# Altium PCB power.PcbDoc (part 1 of 3)
Units mm, origin at the board's own origin, x right, y up, seen from the top; angles counter-clockwise.
Board outline 41 x 59 mm, 4 copper layers (Top Layer, Grpund, Power, Bottom Layer); 116 components, 80 nets, 408 pads, 200 vias.
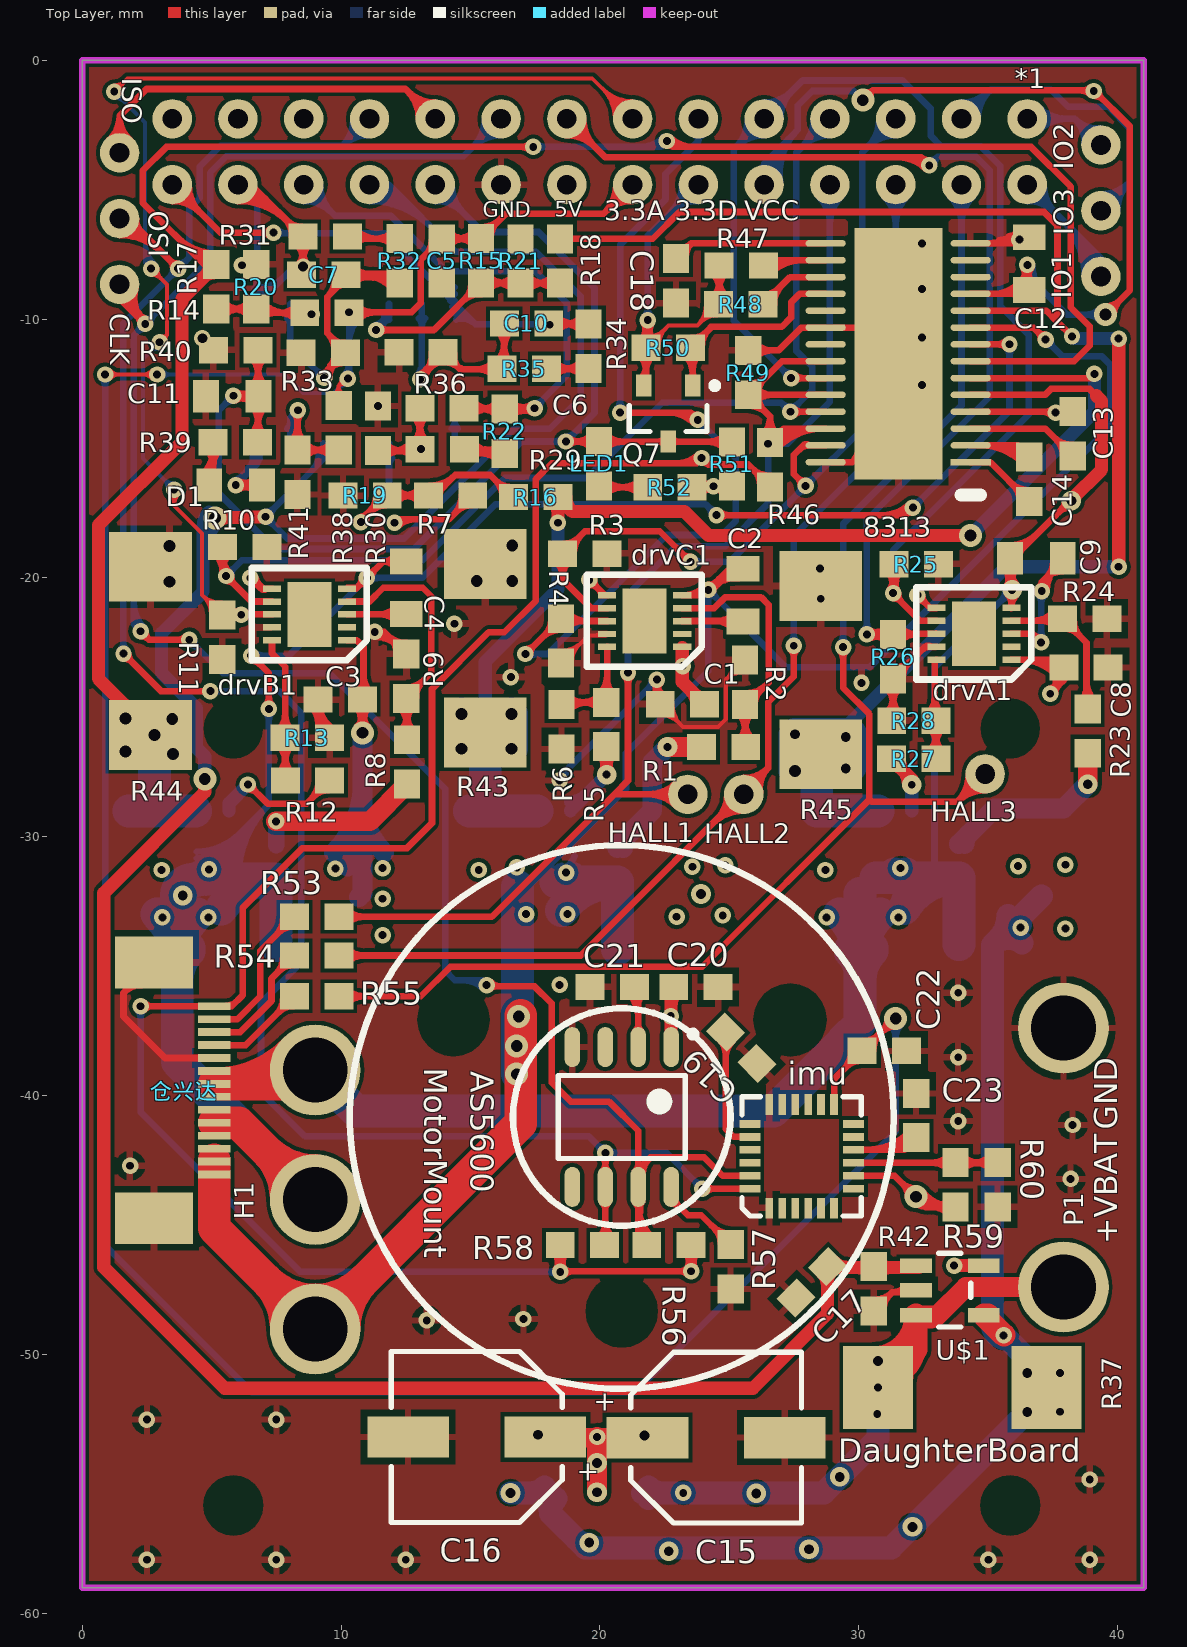
[diagram p0: Top Layer view]
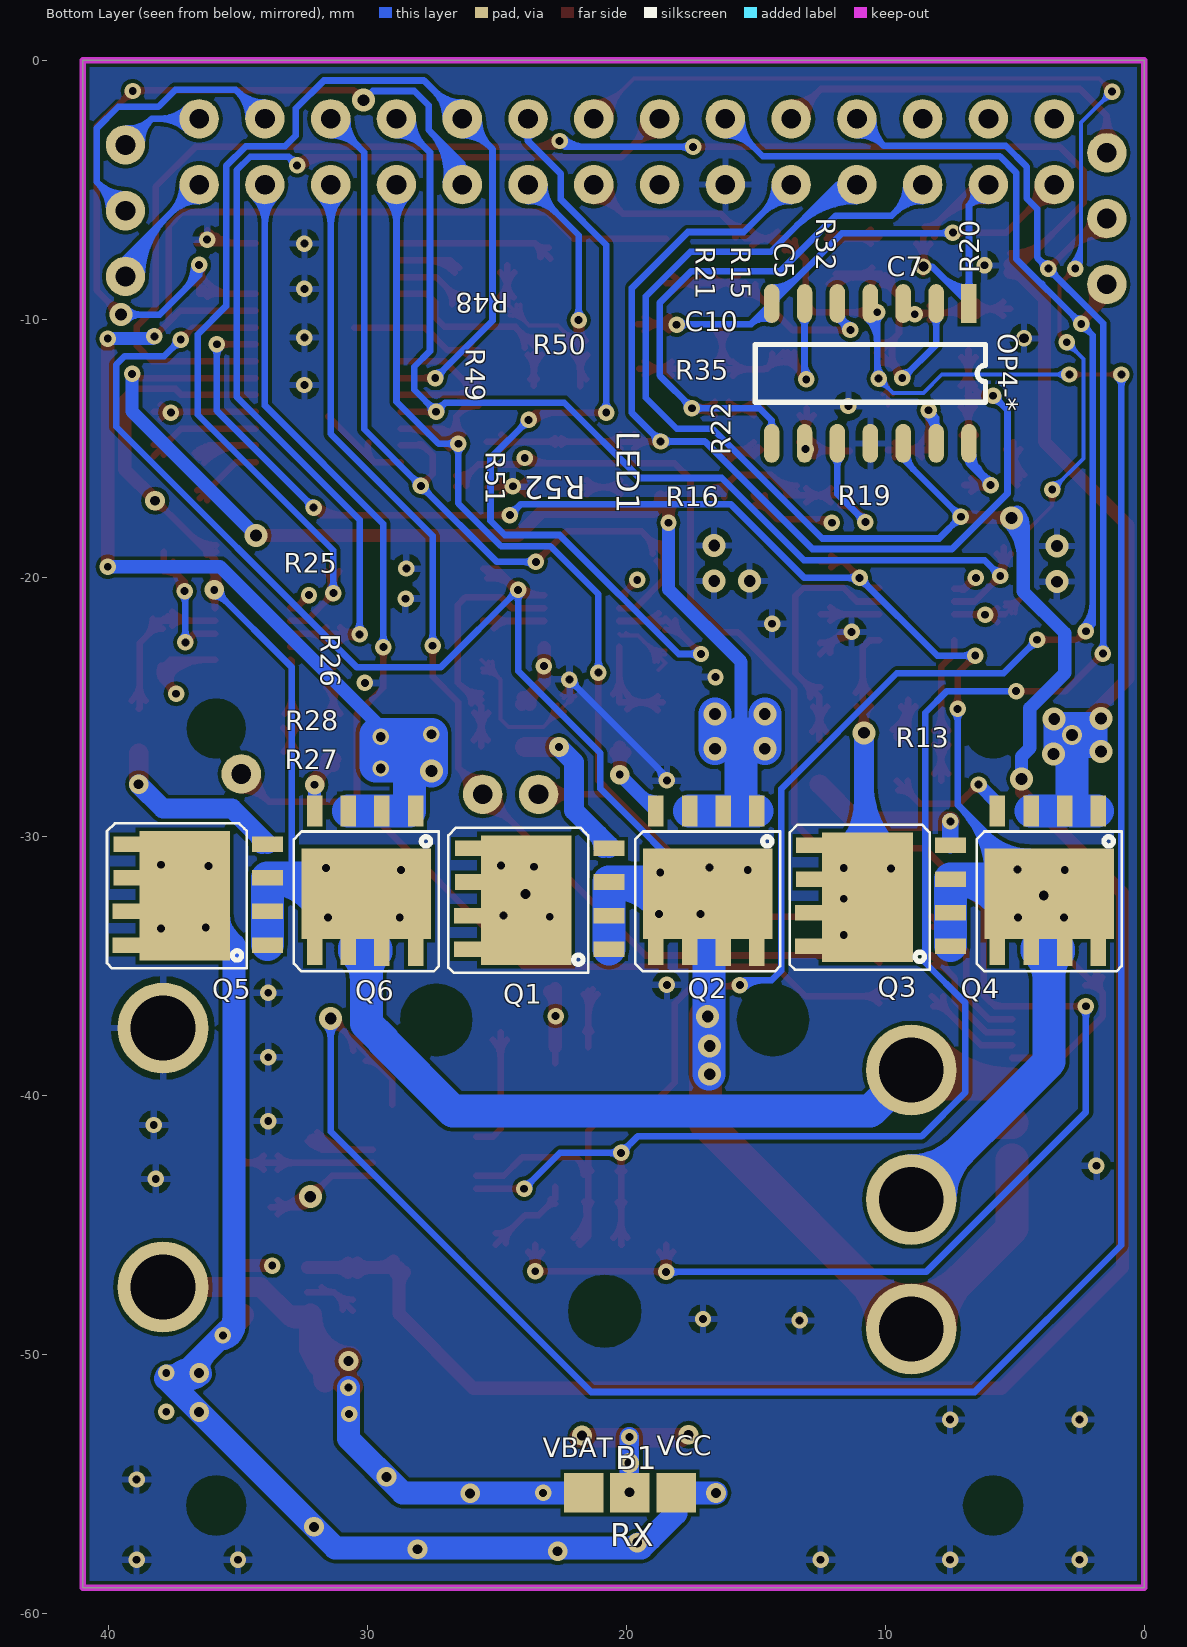
[diagram p1: Bottom Layer view, seen from below]
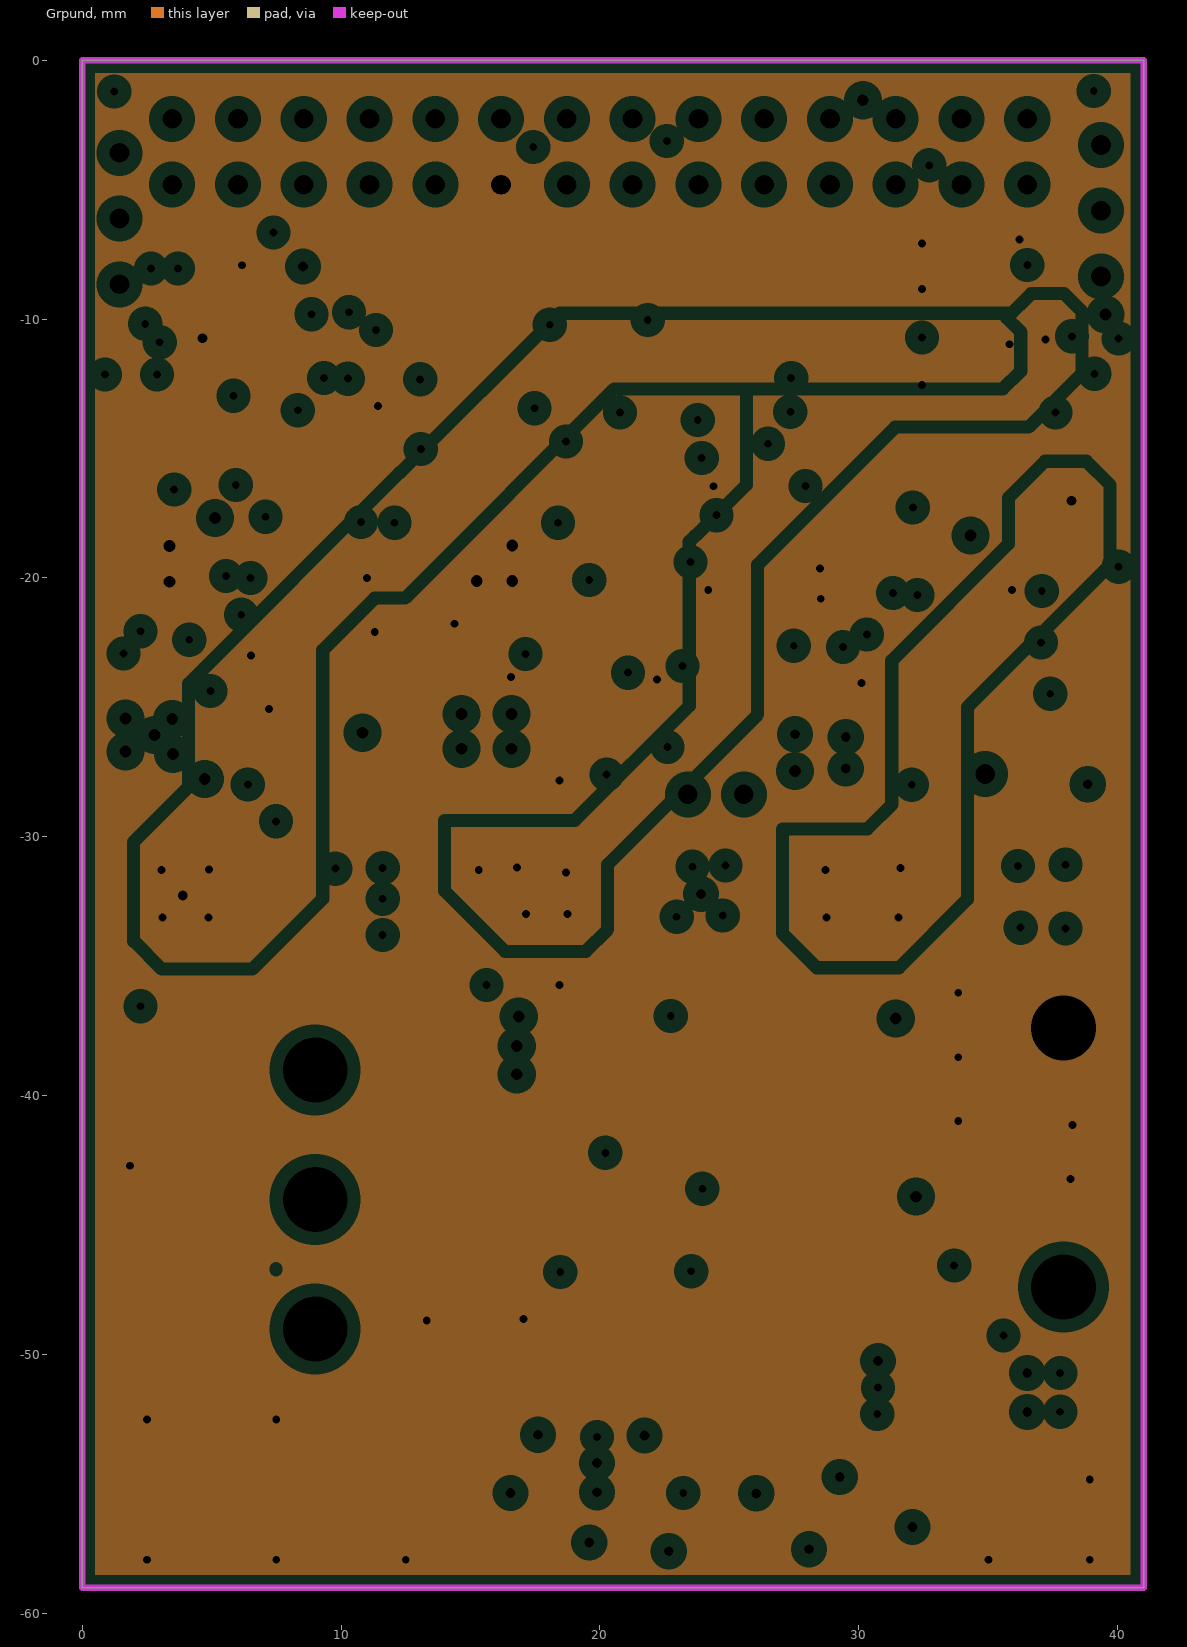
[diagram p2: Grpund, clearances drawn from the general rule]
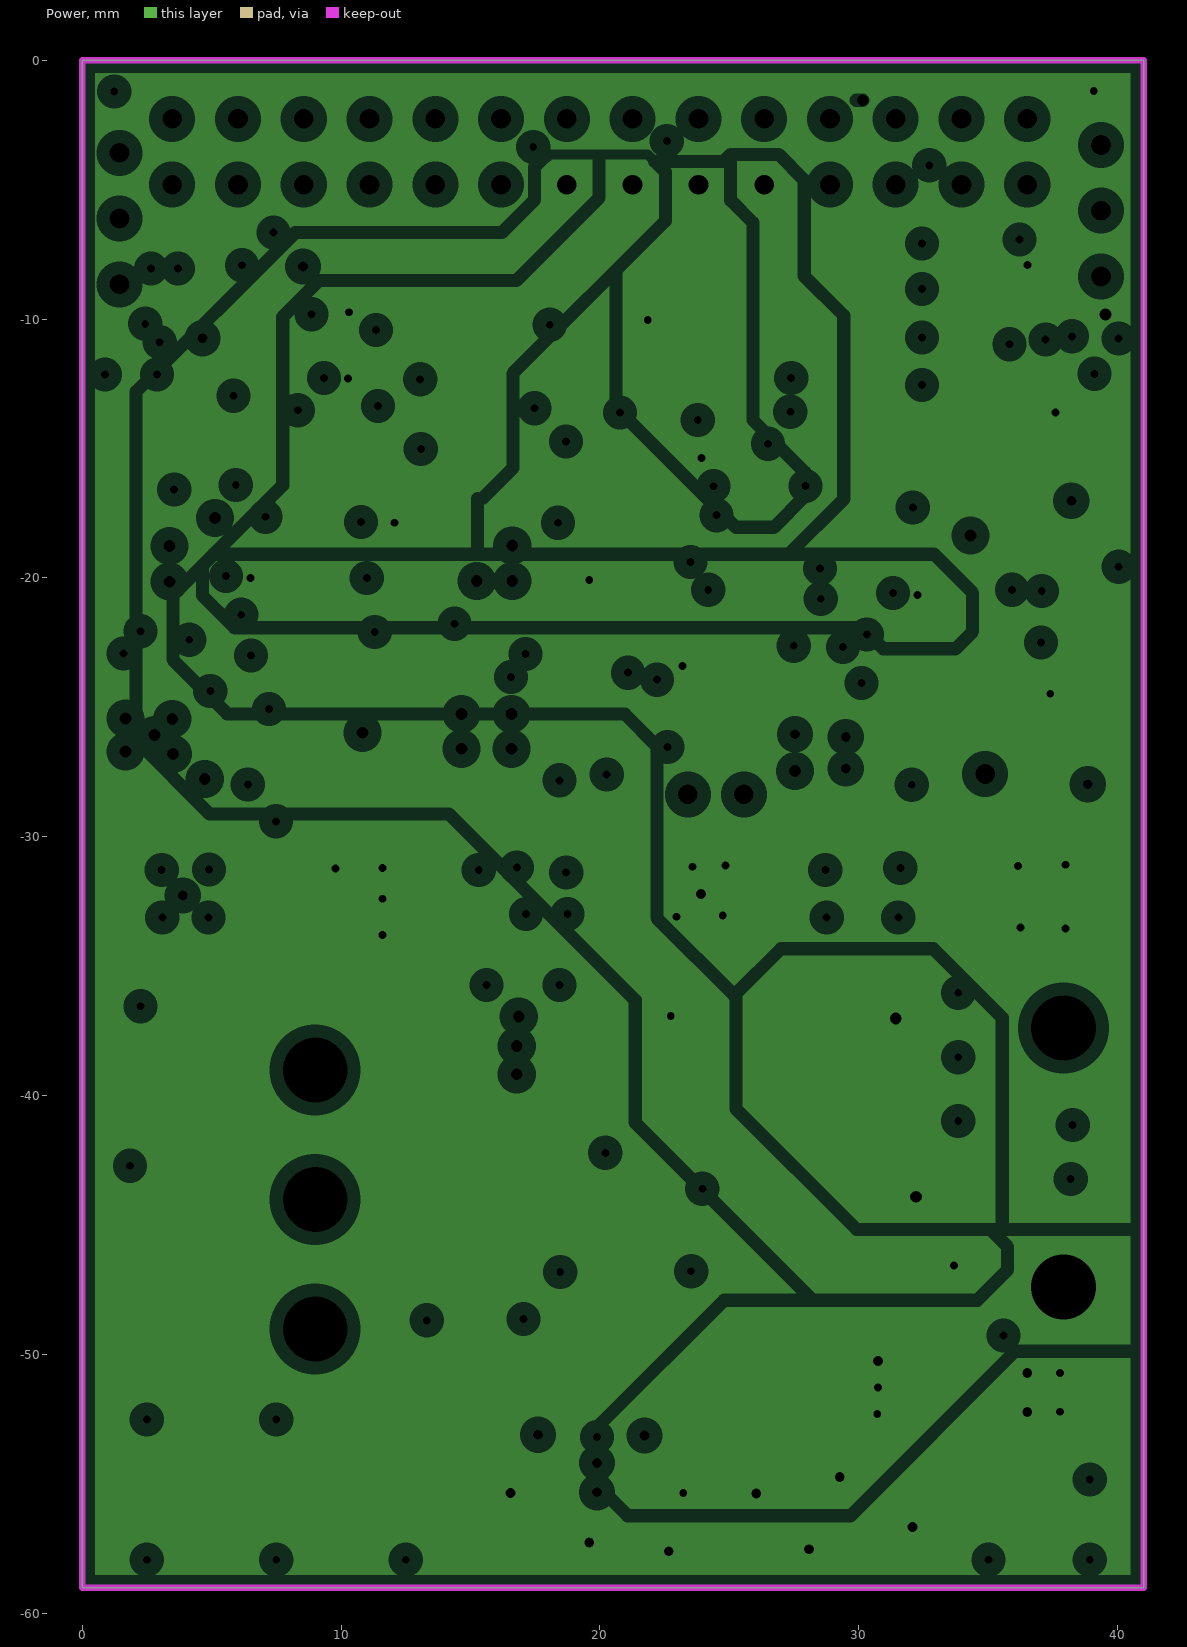
[diagram p3: Power, clearances drawn from the general rule]

## Layer stack, top to bottom
Top Solder: solder mask 0.0102, Solder Resist, Dk 3.5
Top Layer: signal copper 0.0356
Dielectric1: core 0.32, FR-4, Dk 4.8
Grpund: plane copper 0.0102, net GND
Dielectric3: prepreg 0.32, FR-4, Dk 4.8
Power: plane copper 0.0102, net (Multiple Nets)
Dielectric2: core 0.32, FR-4, Dk 4.8
Bottom Layer: signal copper 0.0356
Bottom Solder: solder mask 0.0102, Solder Resist, Dk 3.5

## Board outline
0,0 41,0 41,-59 0,-59

## Design rules (kind name [scope] priority, off if disabled: settings)
Clearance [All] p1: gap=0.152
MinimumSolderMaskSliver [All] p1 off: minsoldermaskwidth=0.254
PlaneClearance [All] p1: clearance=0.508
PlaneConnect [All] p1: planeconnectstyle=Relief reliefexpansion=0.508 reliefentries=4 reliefconductorwidth=0.254 reliefairgap=0.254
PolygonConnect [All] p1: connectstyle=Relief reliefconductorwidth=0.254 reliefentries=4 polygonreliefangle="90 Angle" airgapwidth=0.254
RoutingVias [All] p1: holewidth=0.305 width=0.635 viastyle="Through Hole" minholewidth=0.305 minwidth=0.635 maxholewidth=0.711 maxwidth=1.27
SilkToSilkClearance [All] p1 off: silktosilkclearance=0.254
SilkToSolderMaskClearance [IsPad] p1 off: minsilkscreentomaskgap=0.254 clearancetoexposedcopper=TRUE
SolderMaskExpansion [All] p1: expansion=0.102
UnpouredPolygon [All] p1: allowunpoured=FALSE
Width [All] p1: maxlimit=1.524 minlimit=0.152 preferedwidth=0.152
24 further rules are at their usual default settings.

## Classes and differential pairs
component class drv8313: 8313 C12 C13 C14 C18 LED1 Q7 R46 R47 R48 R49 R50 R51 R52
component class signal_conditioning: C5 C6 C7 C10 C11 C17 D1 OP4-* R7 R14 R15 R16 R17 R18 R19 R20 R21 R22 R29 R30 R31 R32 R33 R34 R35 R36 R37 R38 R39 R40 R41 R42 U$1
component class interface: *1 B1 C15 C16 CLK DaughterBoard GPIO3 H1 HALL1 HALL2 HALL3 IO1 IO2 IO3 ISO MotorMount OSI P1 R53 R54 R55 仓兴达
component class drive-mp1907: C1 C2 C3 C4 C8 C9 drvA1 drvB1 drvC1 Q1 Q2 Q3 Q4 Q5 Q6 R1 R2 R3 R4 R5 R6 R8 R9 R10 R11 R12 R13 R23 R24 R25 R26 R27 R28 R43 R44 R45
component class sensor: AS5600 C19 C20 C21 C22 C23 imu R56 R57 R58 R59 R60

## Components (designator, comment, footprint, x,y, rotation, side; value= is the part's Value field where it differs from the comment)
8313 "DRV8313-func" DRV8313 34.315,-15.529 r180 top
*1 "MultiFunction" MultiFunction 31.42,-2.27 r270 top locked
AS5600 "AS5600" SOIC8_39MM 20.841,-40.815 r270 top locked
B1 "RX" SolderBridge60mil 19.863,-55.331 r180 bottom
C1 "Cap" 0603 23.19,-24.876 r180 top
C2 "Cap" 0805 25.527,-20.66 r270 top
C3 "Cap" 0603 9.98,-24.694 r180 top
C4 "Cap" 0805 12.52,-20.376 r270 top
C5 "0.1uF" 0603 13.885,-7.751 r270 top
C6 "10pF" 0603 13.906,-13.446 r180 top
C7 "10pF" 0603 9.322,-8.29 r0 top
C8 "Cap" 0603 38.76,-23.454 r0 top
C9 "Cap" 0805 36.855,-19.237 r0 top
C10 "10pF" 0603 17.17,-10.169 r180 top
C11 "10uF" 0805 5.8,-12.982 r180 top
C12 "Cap" 0805 36.576,-7.858 r270 top
C13 "0.1uF" 0603 38.252,-14.427 r270 top
C14 "0.01uF" 0603 36.576,-16.189 r90 top
C15 "35V 220uF" HONOR_63X77 24.486,-53.197 r0 top
C16 "35V 220uF" HONOR_63X77 15.24,-53.172 r180 top
C17 "10pF" 0603 28.169,-47.203 r45 top
C18 "0.01uF" 0603 22.936,-8.518 r270 top
C19 "2.2nF" 0603 25.451,-38.135 r315 top
C20 "0.1uF" 0603 23.698,-35.798 r0 top
C21 "1uF" 0603 20.472,-35.798 r0 top
C22 "0.1uF" 0603 30.988,-38.262 r180 top
C23 "0.1uF" 0603 32.207,-40.751 r270 top
CLK "TestPad" TestPad 1.448,-8.661 r0 top (schematic designator SCLK)
D1 "Diode" 0805 5.927,-16.411 r180 top
DaughterBoard "TestPad" DaughterBoardHolder 20.841,-40.815 r180 top locked
drvA1 "MP1907" MP1907 35.888,-23.158 r180 top
drvB1 "MP1907" MP1907 10.234,-22.408 r180 top
drvC1 "MP1907" MP1907 23.175,-22.662 r180 top
H1 "Motor" MotorConnector2.5mm*3 9,-44 r180 top
HALL1 "TestPad" TestPad 23.393,-28.356 r0 top
HALL2 "TestPad" TestPad 25.552,-28.356 r90 top
HALL3 "TestPad" TestPad 34.874,-27.568 r90 top
imu "MPU6050" MPU6050-2 26.54,-44.333 r90 top
IO1 "TestPad" TestPad 39.345,-8.357 r180 top (schematic designator GPIO1)
IO2 "TestPad" TestPad 39.345,-3.277 r270 top (schematic designator GPIO2)
IO3 "TestPad" TestPad 39.345,-5.817 r270 top (schematic designator GPIO3)
ISO "TestPad" TestPad 1.448,-3.581 r0 top (schematic designator MISO)
LED1 "LED0" 0603 19.964,-15.58 r270 top
MotorMount "RX" MotorMount 20.841,-40.815 r180 top locked
OP4-* "OP4" SOP14 6.773,-9.402 r270 bottom locked
OSI "TestPad" TestPad 1.448,-6.121 r0 top (schematic designator MOSI)
P1 "Power" Power 37.897,-47.38 r0 top
Q1 "NMOS" BSC025N03MS 23.851,-32.435 r180 bottom
Q2 "NMOS" BSC025N03MS 16.866,-32.166 r90 bottom
Q3 "NMOS" BSC025N03MS 10.668,-32.321 r180 bottom
Q4 "NMOS" BSC025N03MS 3.681,-32.166 r90 bottom
Q5 "NMOS" BSC025N03MS 37.033,-32.27 r180 bottom
Q6 "NMOS" BSC025N03MS 30.046,-32.166 r90 bottom
Q7 "PMOS" SOT-23B_L 22.631,-13.649 r270 top
R1 "Res1" 0603 24.765,-26.527 r0 top
R2 "Res1" 0603 25.603,-24.038 r90 top
R3 "Res1" 0603 19.406,-19.059 r0 top
R4 "Res1" 0603 18.491,-22.425 r270 top
R5 "Res1" 0603 20.244,-25.663 r90 top
R6 "Res1" 0603 18.517,-25.74 r270 top
R7 "4.7k" 0603 14.224,-16.812 r0 top
R8 "Res1" 0603 12.548,-27.111 r90 top
R9 "Res1" 0603 12.52,-23.805 r90 top
R10 "Res1" 0603 6.274,-18.805 r0 top
R11 "Res1" 0603 5.408,-22.281 r270 top
R12 "Res1" 0603 8.712,-27.822 r180 top
R13 "Res1" 0603 8.687,-26.171 r0 top
R14 "4.7k" 0603 9.449,-9.763 r0 top
R15 "4.7k" 0603 15.409,-7.751 r90 top
R16 "910R" 0603 17.526,-16.875 r180 top
R17 "910R" 0603 5.182,-8.747 r270 top
R18 "910R" 0603 18.457,-7.751 r270 top
R19 "910R" 0603 10.922,-16.812 r0 top
R20 "910R" 0603 6.731,-8.747 r270 top
R21 "910R" 0603 16.933,-7.751 r270 top
R22 "2.7k" 0603 16.319,-14.335 r90 top
R23 "Res1" 0603 38.837,-25.917 r90 top
R24 "Res1" 0603 38.71,-21.574 r0 top
R25 "Res1" 0603 32.207,-19.466 r0 top
R26 "Res1" 0603 31.316,-23.031 r270 top
R27 "Res1" 0603 32.106,-26.984 r0 top
R28 "Res1" 0603 32.131,-25.511 r180 top
R29 "2.7k" 0603 13.906,-15.034 r0 top
R30 "1k" 0603 11.43,-14.208 r270 top
R31 "2.7k" 0603 9.398,-6.817 r180 top
R32 "2.7k" 0603 12.268,-7.756 r90 top
R33 "1k" 0603 9.313,-11.307 r0 top
R34 "2.7k" 0603 19.558,-11.058 r90 top
R35 "2.7k" 0603 17.069,-11.922 r0 top
R36 "1k" 0603 13.081,-11.287 r0 top
R37 "45mR 1%" 2512 33.985,-51.261 r180 top
R38 "13k" 0603 9.906,-14.208 r90 top
R39 "200R" 0603 5.927,-14.76 r180 top
R40 "100k" 0603 5.927,-11.204 r0 top
R41 "1k" 0603 8.319,-15.923 r90 top
R42 "10k" 0603 30.569,-47.451 r90 top
R43 "45mR 1%" 2512 15.57,-22.717 r270 top
R44 "45mR 1%" 2512 2.639,-22.815 r270 top
R45 "45mR 1%" 2512 28.524,-23.555 r270 top
R46 "4.7k" 0603 26.568,-15.63 r90 top
R47 "4.7k" 0603 25.451,-7.934 r0 top
R48 "4.7k" 0603 25.425,-9.433 r0 top
R49 "NC" 0603 25.73,-12.074 r90 top
R50 "4.7k" 0603 22.631,-11.109 r0 top
R51 "4.7k" 0603 25.095,-15.605 r90 top
R52 "200R" 0603 22.708,-16.494 r180 top
R53 "NC" 0603 9.068,-33.08 r180 top
R54 "NC" 0603 9.068,-34.579 r180 top
R55 "NC" 0603 9.068,-36.154 r180 top
R56 "4.7K" 0603 22.657,-45.755 r0 top
R57 "4.7K" 0603 25.044,-46.593 r270 top
R58 "4.7K" 0603 19.329,-45.755 r180 top
R59 "NC" 0603 33.731,-43.443 r90 top
R60 "4.7K" 0603 35.357,-43.418 r270 top
U$1 "INA169" SOT23-5 33.502,-47.502 r270 top
仓兴达 "仓兴达socket" FPC-0.5MM-14 5.105,-43.037 r90 top locked

## Footprints (in the part's own frame and the unit in brackets; to place one, negate y for a bottom-side part, rotate by r counter-clockwise, add the part's x,y. Pads: shape width x height; smd on the part's side, far side on the other; paste and mask are expansions set on the pad)
0603 [mil] "0603-RES"
  rect 44x40 smd: 1(-33.46,0) 2(34,0)
0805 [mm]
  rect 1x1.27 smd: 1(-1.016,0) 2(1.016,0)
  body extent -1.27,-0.76 1.27,0.76, height 0.8
2512 [mm]
  rect 2.7x3.2 smd: 1(-3.25,0) 2(3.25,0)
BSC025N03MS [mm]
  rect 1.2x0.6 smd: D(-2.215,-1.905) D(-2.215,-0.605) D(-2.175,0.695) D(-2.175,1.995) G(3.175,1.995) S(3.175,-1.905) S(3.175,-0.605) S(3.175,0.695)
  rect 3.5x5 smd: D(-0.025,-0.005)
  silkscreen extent -3.02,-2.8 2.38,2.8
DaughterBoardHolder [mm]
  round 2 on Keep-Out: 1(-15,-15) 1(-15,15) 1(15,15) 1(15,-15)
DRV8313 [mm]
  rect 3.4x9.7 smd: 0(2.794,-4.191)
  rect 1.55x0.25 smd: 1(0,0)
  oval 1.55x0.25 smd: 2(0,-0.65) 3(0,-1.3) 4(0,-1.95) 5(0,-2.6) 6(0,-3.25) 7(0,-3.9) 8(0,-4.55) 9(0,-5.2) 10(0,-5.85) 11(0,-6.5) 12(0,-7.15) 13(0,-7.8) 14(0,-8.45) 15(5.6,-8.45) 16(5.6,-7.8) 17(5.6,-7.15) 18(5.6,-6.5) 19(5.6,-5.85) 20(5.6,-5.2) 21(5.6,-4.55) 22(5.6,-3.9) 23(5.6,-3.25) 24(5.6,-2.6) 25(5.6,-1.95) 26(5.6,-1.3) 27(5.6,-0.65) 28(5.6,0)
  silkscreen extent -0.38,1.27 0.38,1.27
FPC-0.5MM-14 [mm]
  rect 2x3 smd: 0(-1.69,2.325) 0(8.19,2.325)
  rect 0.3x1.25 smd: 1(6.5,0) 2(6,0) 3(5.5,0) 4(5,0) 5(4.5,0) 6(4,0) 7(3.5,0) 8(3,0) 9(2.5,0) 10(2,0) 11(1.5,0) 12(1,0) 13(0.5,0) 14(0,0)
HONOR_63X77 [mm]
  rect 3.15x1.6 smd: 1(-2.65,0) 2(2.65,0)
  silkscreen extent -3.3,-3.3 3.3,3.3
MotorConnector2.5mm*3 [mm]
  round 3.5 hole 2.5: 1(0,-5) 2(0,0) 3(0,5)
MotorMount [mm]
  round 2.5 on Keep-Out: 1(0,7.5) 2(6.5,-3.75) 3(-6.5,-3.75)
  silkscreen extent -10.5,-10.5 10.5,10.5
MP1907 [mm]
  rect 1.7x2.5 smd: 0(1.45,-1)
  rect 0.7x0.25 smd: 1(0,0) 2(0,-0.5) 3(0,-1) 4(0,-1.5) 5(0,-2) 6(2.9,-2) 7(2.9,-1.5) 8(2.9,-1) 9(2.9,-0.5) 10(2.9,0)
  silkscreen extent -0.76,-2.79 3.68,0.76, body extent 0,-2.54 3.05,0.51, height 0.9
MPU6050-2 [mm]
  rect 0.8x0.3 smd: 1(0,0) 2(0,-0.5) 3(0,-1) 4(0,-1.5) 5(0,-2) 6(0,-2.5) 13(4,-2.5) 14(4,-2) 15(4,-1.5) 16(4,-1) 17(4,-0.5) 18(4,0)
  rect 0.3x0.8 smd: 7(0.75,-3.25) 8(1.25,-3.25) 9(1.75,-3.25) 10(2.25,-3.25) 11(2.75,-3.25) 12(3.25,-3.25) 19(3.25,0.75) 20(2.75,0.75) 21(2.25,0.75) 22(1.75,0.75) 23(1.25,0.75) 24(0.75,0.75)
  silkscreen extent -0.3,-3.55 4.3,1.05, body extent 0.25,-2.92 3.68,0.51, height 1
MultiFunction [mil]
  round 60 hole 30: 1(0,200) 2(0,100) 3(0,0) 4(0,-100) 5(0,-200) 6(0,-300) 7(0,-400) 8(0,-500) 9(0,-600) 10(0,-700) 11(0,-800) 12(0,-900) 13(0,-1000) 14(0,-1100) 15(100,-1100) 16(100,-1000) 17(100,-900) 18(100,-800) 19(100,-700) 20(100,-600) 21(100,-500) 22(100,-400) 23(100,-300) 24(100,-200) 25(100,-100) 26(100,0) 27(100,100) 28(100,200)
Power [mm]
  round 3.5 hole 2.5: 1(0,0) 2(0,10)
SOIC8_39MM [mm]
  oval 1.55x0.6 smd: 1(-2.7,1.905) 2(-2.7,0.635) 3(-2.7,-0.635) 4(-2.7,-1.905) 5(2.7,-1.905) 6(2.7,-0.635) 7(2.7,0.635) 8(2.7,1.905)
  silkscreen extent -3.32,-2.45 1.6,2.88
SolderBridge60mil [mil]
  rect 60x60 smd: 1(-70,0) 2(0,0) 3(70,0)
SOP14 [mm]
  rect 1.5x0.6 smd: 1(0,0)
  oval 1.5x0.6 smd: 2(0,-1.27) 3(0,-2.54) 4(0,-3.81) 5(0,-5.08) 6(0,-6.35) 7(0,-7.62) 8(5.4,-7.62) 9(5.4,-6.35) 10(5.4,-5.08) 11(5.4,-3.81) 12(5.4,-2.54) 13(5.4,-1.27) 14(5.4,0)
  silkscreen extent 1.58,-8.25 3.82,0.63
SOT23-5 [mil] "SOT23-5"
  rect 22x48 smd: 1(-37.4,-51.18) 2(0,-51.18) 3(38,-51.19) 4(38,52) 5(-37.4,52)
  silkscreen extent -56,-17 56,32
SOT-23B_L [mm] "SOT23, 3-Leads, Body 2.9x1.3mm, Pitch 0.95mm, Lead Span 2.4mm, IPC High Density"
  rect 0.85x0.6 smd: 1(-1.075,0.95) 2(-1.075,-0.95) 3(1.075,0)
  silkscreen extent -1.2,-1.5 0.7,1.92, body extent -0.7,-1.5 0.7,1.5, height 1.14
TestPad [mil]
  round 60 hole 30: 1(0,0)
